# KiCad board rot.kicad_pcb (continued)
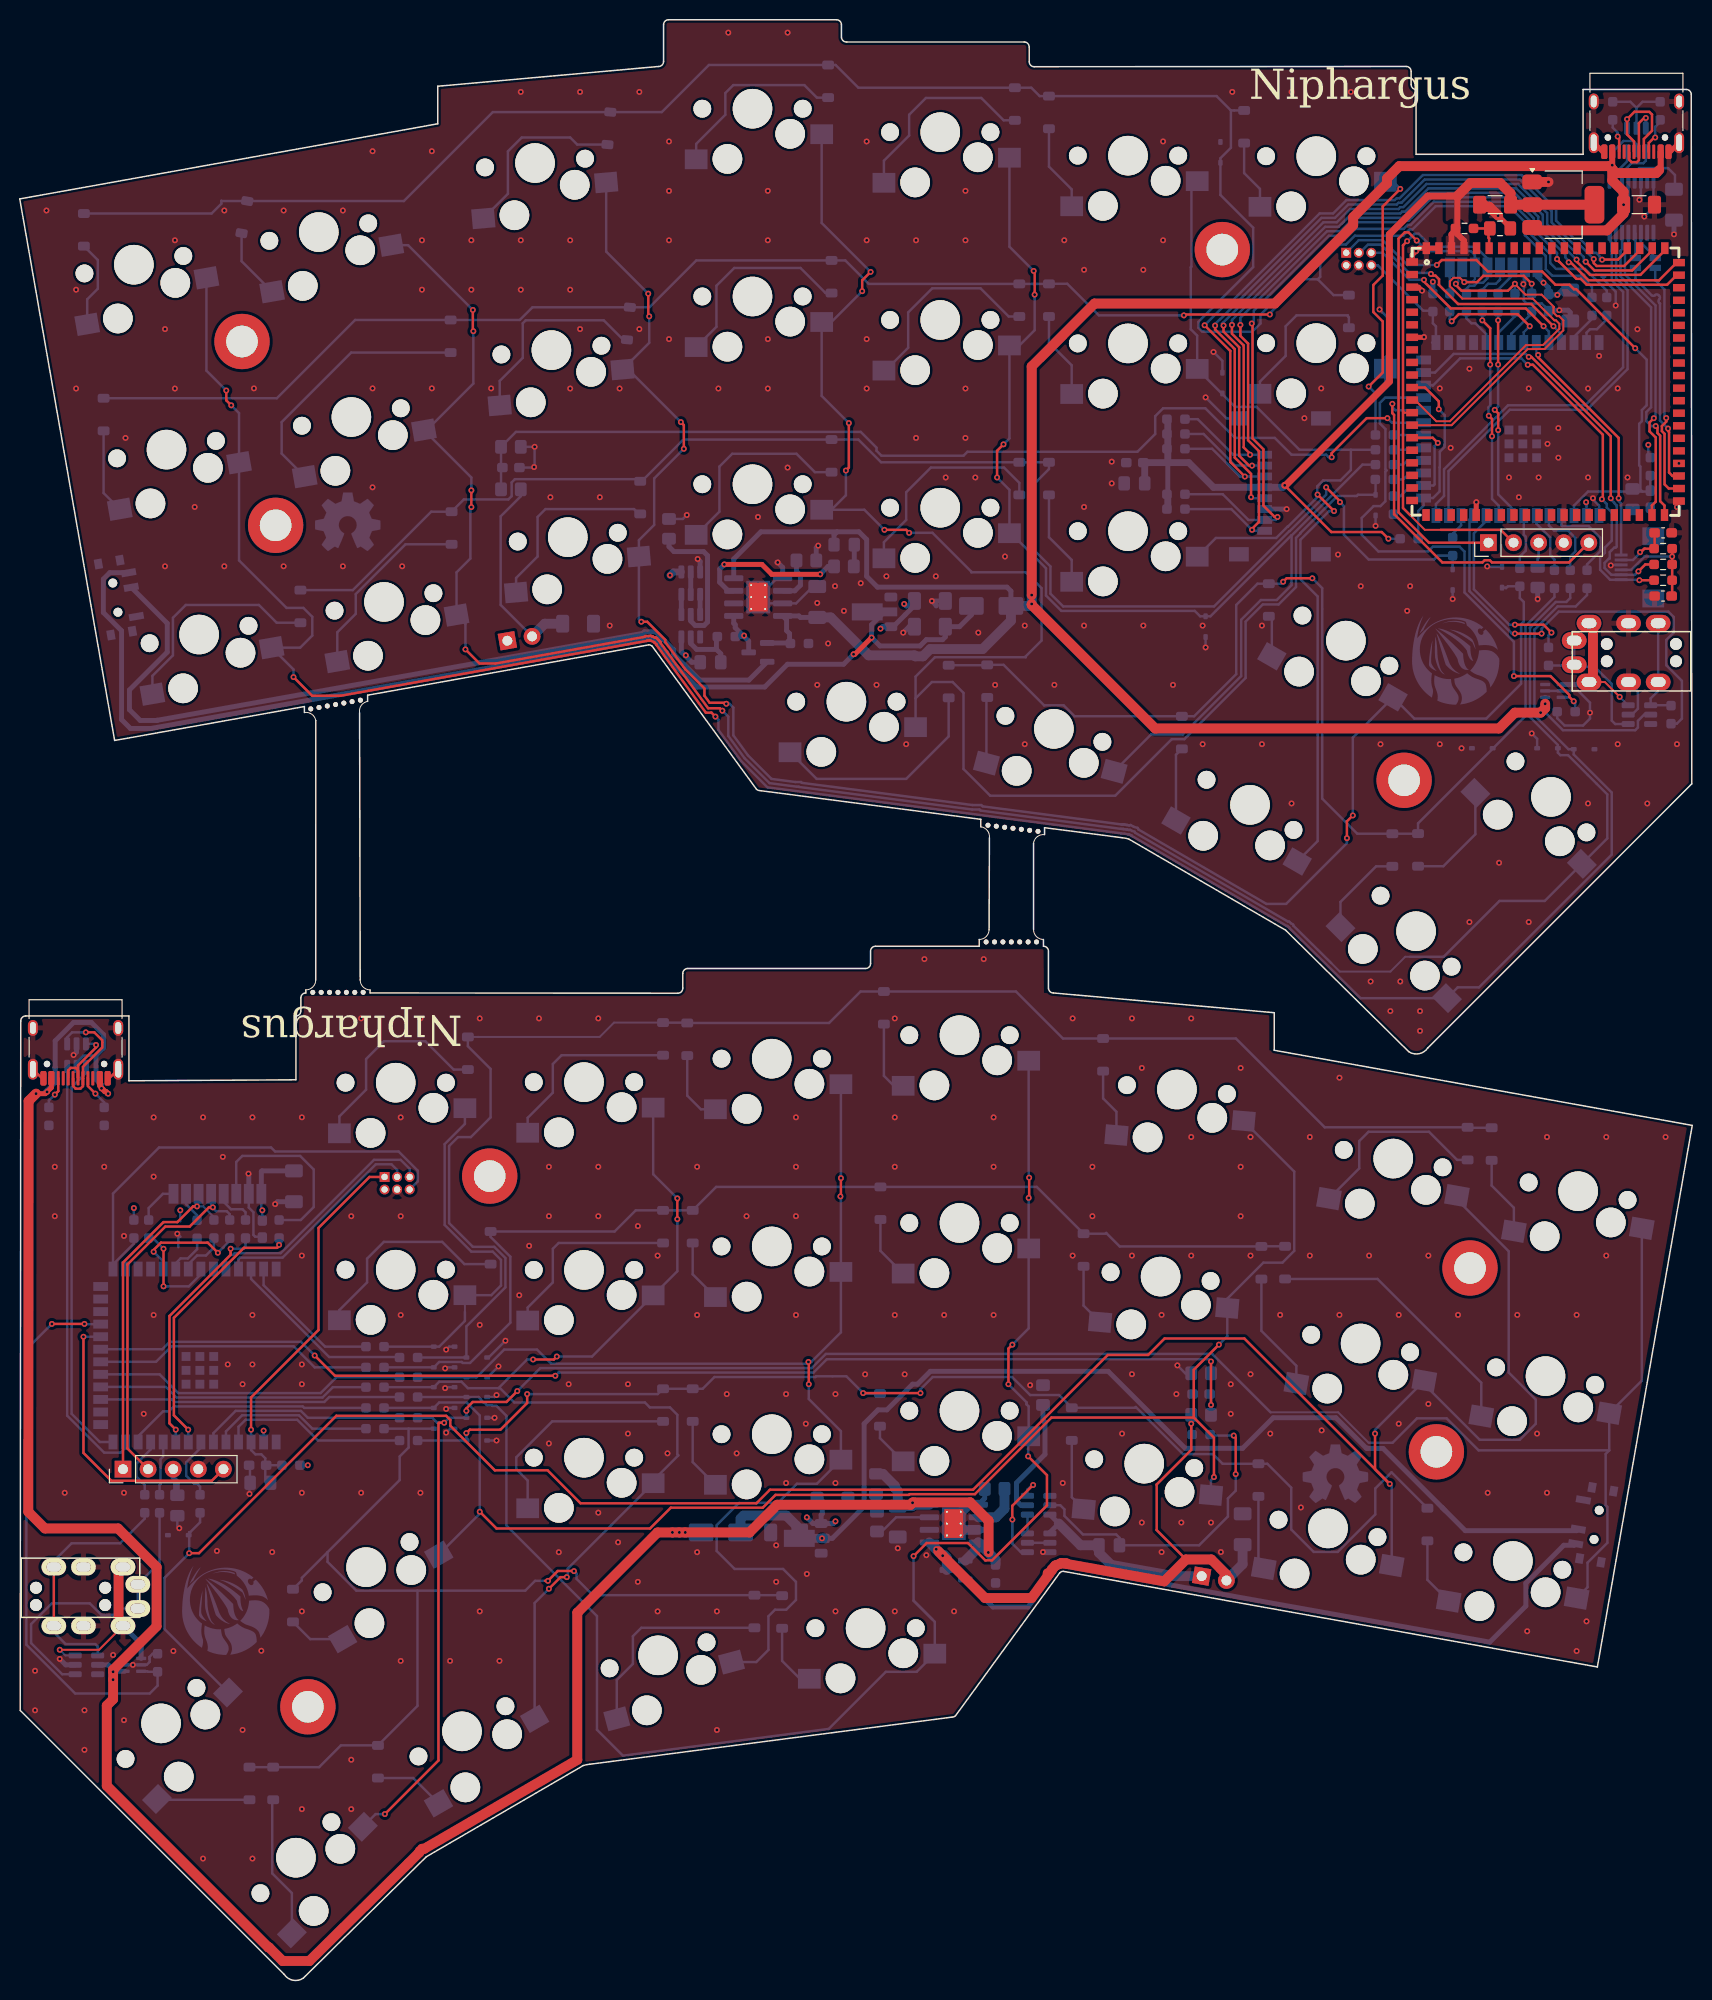
[diagram p0: board, top side]
## Placement (name value [footprint] x y rotation side) (continued)
U17  AMS1117-3.3  [SOT-223-3_TabPin2]  156.2 179.66 0 top
U18  TP4056-42-ESOP8  [SOIC-8-1EP_3.9x4.9mm_P1.27mm_EP2.41x3.3mm_ThermalVias]  74.72 139.96 180 bottom
U19  TP4056-42-ESOP8  [SOIC-8-1EP_3.9x4.9mm_P1.27mm_EP2.41x3.3mm_ThermalVias]  94.52 46.21 180 bottom
U20  HT7833  [SOT-89-3]  86.2 138.46 180 bottom
U21  HT7833  [SOT-89-3]  83.05 44.71 0 bottom
U22  DW01A  [SOT-23-6]  103.11 48.06 0 bottom
U23  DW01A  [SOT-23-6]  67.9 137.06 270 bottom

## Library data of the parts
C1-C4 C7-C30 = -: Description: Unpolarized capacitor; KiLib_Generator: SMD_2terminal_chip_molded; ki_fp_filters: C_*
C5 C6 = -: KiLib_Generator: SMD_2terminal_chip_molded; ki_fp_filters: C_*
D1-D48 U1-U4 = -: ki_fp_filters: TO-???* *_Diode_* *SingleDiode* D_*
D49 D50 = -: Description: Light emitting diode; KiLib_Generator: SMD_2terminal_chip_molded; Sim.Pins: 1=K 2=A; ki_fp_filters: LED* LED_SMD:* LED_THT:*
D51 D52 = -: Datasheet: https://www.vishay.com/docs/88746/ss12.pdf; Description: 40V 1A Schottky Diode, SMA; LCSC: C2480; Lien: https://lcsc.com/product-detail/C2480.html; ki_fp_filters: D*SMA*
D100-D121 = -: Datasheet: https://www.littelfuse.com/products/overvoltage-protection/tvs-diode-arrays/general-purpose/sdc/sd05c-01ftg; LCSC: C2827707; Lien: https://lcsc.com/product-detail/C2827707.html; ki_fp_filters: D?SOD?323*
H1-H8 = -: Description: Mounting Hole with connection as pad named MP; KiLib_Generator: mounting_hardware/mounting_hole; ki_fp_filters: MountingHole*Pad*
HS1-HS3 = -: Description: Heatsink with electrical connection, 1 pin; ki_fp_filters: Heatsink_*
J1 J2 = -: Description: Generic connector, double row, 02x03, odd/even pin numbering scheme (row 1 odd numbers, row 2 even numbers), script generated (kicad-library-utils/schlib/autogen/connector/); KiLib_Generator: connector/pin_header_socket; ki_fp_filters: Connector*:*_2x??_*
J3 = -: KiLib_Generator: connector/Hirose; LCSC: C202118; Lien: https://lcsc.com/product-detail/C202118.html; Note achat: Hirose FH12-6S-0.5SH — ZIF 6P 0,5mm contacts bas ; nappe FFC 6P 0,5mm 50mm (fournie avec module keycapsss) ; verifier sens pin1 a reception; ki_fp_filters: Connector*:*_1x??_*
J4 J12 = -: Description: Generic connector, single row, 01x05, script generated; KiLib_Generator: connector/pin_header_socket; ki_fp_filters: Connector*:*_1x??_*
J5 J6 = -: Description: Audio Jack, 4 Poles (TRRS); Achat: jack TRRS MJ-4PP-9 AliExpress; Lien: https://fr.aliexpress.com/item/33029465106.html; ki_fp_filters: Jack*
J7 J8 = -: Datasheet: https://www.usb.org/sites/default/files/documents/usb_type-c.zip; Description: USB 2.0-only 16P Type-C Receptacle connector; LCSC: C165948; Lien: https://lcsc.com/product-detail/C165948.html; ki_fp_filters: USB*C*Receptacle*
J9 = -: Datasheet: https://www.we-online.com/components/products/datasheet/693072010801.pdf; Description: Micro SD Card Socket; Achat: Würth 693072010801 (Mouser/Farnell); Lien: https://www.mouser.com/ProductDetail/Wurth-Elektronik/693072010801; Note achat: alt. LCSC TF-01A C91145 mais empreinte à changer; ki_fp_filters: microSD*
J10 J11 = -: Description: Generic connector, single row, 01x02, script generated; KiLib_Generator: connector/pin_header_socket; ki_fp_filters: Connector*:*_1x??_*
JP1 JP2 = -: Description: Jumper, 2-pole, closed/bridged; ki_fp_filters: Jumper* TestPoint*2Pads* TestPoint*Bridge*
Q1 Q2 = -: Datasheet: http://www.aosmd.com/pdfs/datasheet/AO3401A.pdf; Description: -4.0A Id, -30V Vds, P-Channel MOSFET, SOT-23; KiLib_Generator: package/gullwing; LCSC: C351408; Lien: https://lcsc.com/product-detail/C351408.html; ki_fp_filters: SOT?23*
Q3 Q4 = -: Datasheet: https://wmsc.lcsc.com/wmsc/upload/file/pdf/v2/lcsc/1810110910_Fortune-Semicon-FS8205_C32254.pdf; Description: Dual N-Channel MOSFET drain commun, 20V 6A, SOT23-6, protection batterie Li-ion (paire DW01A), LCSC C32254; KiLib_Generator: package/gullwing; LCSC: C32254; Lien: https://lcsc.com/product-detail/C32254.html
R1-R28 R30 R31 R33 R34 R36-R73 = -: Description: Resistor; KiLib_Generator: SMD_2terminal_chip_molded; ki_fp_filters: R_*
R29 R32 R35 = -: KiLib_Generator: SMD_2terminal_chip_molded; ki_fp_filters: R_*
SW53 SW54 = -: Description: Switch, single pole double throw; LCSC: C431540; Lien: https://lcsc.com/product-detail/C431540.html; Note achat: MSK-12C02 SHOU HAN
U5 U6 = -: Datasheet: https://www.espressif.com/sites/default/files/documentation/esp32-s3-wroom-1_wroom-1u_datasheet_en.pdf; Description: 2.4 GHz WiFi (802.11 b/g/n) and Bluetooth ® 5 (LE) module Built around ESP32S3 series of SoCs, Xtensa ® dualcore 32bit LX7 microprocessor Flash up to 16 MB, PSRAM up to 8 MB 36 GPIOs, rich set of peripherals Onboard PCB antenna; LCSC: C2913204; Lien: https://lcsc.com/product-detail/C2913204.html; Note achat: N8R2 ; si antenne externe (empreinte 1U) : C3013944
U7 U8 = -: Datasheet: http://www.nordicsemi.com/eng/content/download/2730/34105/file/nRF24L01_Product_Specification_v2_0.pdf; Description: Ultra low power 2.4GHz RF Transceiver, Carrier PCB; Achat: module nRF24L01+ AliExpress (2x4 pin); ki_fp_filters: nRF24L01*Breakout*
U9 U10 = -: Datasheet: http://www.onsemi.com/pub/Collateral/SRV05-4-D.PDF; Description: ESD Protection Diodes with Low Clamping Voltage, SOT-23-6; KiLib_Generator: package/gullwing; LCSC: C13612; Lien: https://lcsc.com/product-detail/C13612.html; Note achat: alt. budget Leiditech C384887; ki_fp_filters: SOT?23*
U11 U12 = -: Datasheet: http://www.vishay.com.hk/docs/66597/sip32431.pdf; Description: 10 pA, Ultra Low Leakage and Quiescent Current, Load Switch with Reverse Blocking, High Enable, SC-70-6; KiLib_Generator: package/gullwing; LCSC: C141606; Lien: https://lcsc.com/product-detail/C141606.html; ki_fp_filters: *SC?70*
U13 = -: Datasheet: https://www.wch-ic.com/downloads/file/327.html; Description: USB HUB controller, QSOP-16; KiLib_Generator: package/gullwing; LCSC: C4154405; Lien: https://lcsc.com/product-detail/C4154405.html; ki_fp_filters: QSOP*3.9x4.9mm*P0.635mm*
U14 U15 = -: Datasheet: https://www.st.com/resource/en/datasheet/usblc6-2.pdf; Description: Very low capacitance ESD protection diode, 2 data-line, SOT-23-6; KiLib_Generator: package/gullwing; LCSC: C7519; Lien: https://lcsc.com/product-detail/C7519.html; ki_fp_filters: SOT?23*
U16 = -: Achat: module JC-ESP32P4-M3 V0.2 AliExpress/Taobao; ki_fp_filters: *JC-ESP32P4-M3_V0.2*
U17 = -: Datasheet: http://www.advanced-monolithic.com/pdf/ds1117.pdf; Description: 1A Low Dropout regulator, positive, 3.3V fixed output, SOT-223; LCSC: C6186; Lien: https://lcsc.com/product-detail/C6186.html; ki_fp_filters: SOT?223*TabPin2*
U18 U19 = -: Datasheet: https://www.lcsc.com/datasheet/lcsc_datasheet_2410121619_TOPPOWER-Nanjing-Extension-Microelectronics-TP4056-42-ESOP8_C16581.pdf; Description: 1A Standalone Linear Li-ion/LiPo single-cell battery charger, 4.2V ±1% charge voltage, VCC = 4.0..8.0V, SOIC-8 (SOP-8); KiLib_Generator: package/gullwing; LCSC: C16581; Lien: https://lcsc.com/product-detail/C16581.html; ki_fp_filters: *SO*3.9x4.*P1.27mm*EP2.4*x3.3*mm*
U20 U21 = -: Datasheet: http://ww1.microchip.com/downloads/en/DeviceDoc/20001826D.pdf; Description: 250mA Low Quiscent Current LDO, 3.3V output, SOT-23; LCSC: C50936; Lien: https://lcsc.com/product-detail/C50936.html; ki_fp_filters: SOT?23*
U22 U23 = -: Datasheet: https://hmsemi.com/downfile/DW01A.PDF; Description: Overcharge, overcurrent and overdischarge protection IC for single cell lithium-ion/polymer battery; KiLib_Generator: package/gullwing; LCSC: C351410; Lien: https://lcsc.com/product-detail/C351410.html; ki_fp_filters: SOT?23*

## Footprints (pads in the part's own frame, mm; a bottom-side part is the same pattern mirrored in y, then rotated)
C_0603_1608Metric_Pad1.08x0.95mm_HandSolder
  rrect 1.075x0.95 smd: 1(-0.863,0) 2(0.863,0)
C_0805_2012Metric_Pad1.18x1.45mm_HandSolder
  rrect 1.175x1.45 smd: 1(-1.038,0) 2(1.038,0)
C_1206_3216Metric_Pad1.33x1.80mm_HandSolder
  rrect 1.325x1.8 smd: 1(-1.562,0) 2(1.562,0)
D_SMA
  rrect 2.5x1.8 smd: 1(-2,0) 2(2,0)
D_SOD-123
  rrect 0.9x1.2 smd: 1(-1.65,0) 2(1.65,0)
D_SOD-323
  rrect 0.6x0.45 smd: 1(-1.05,0) 2(1.05,0)
ESP32-S3-WROOM-1U
  rect 1.5x0.9 smd: 1(-8.75,8.26) 2(-8.75,6.99) 3(-8.75,5.72) 4(-8.75,4.45) 5(-8.75,3.18) 6(-8.75,1.91) 7(-8.75,0.64) 8(-8.75,-0.63) 9(-8.75,-1.9) 10(-8.75,-3.17) 11(-8.75,-4.44) 12(-8.75,-5.71) 13(-8.75,-6.98) 14(-8.75,-8.25) 27(8.75,-8.25) 28(8.75,-6.98) 29(8.75,-5.71) 30(8.75,-4.44) 31(8.75,-3.17) 32(8.75,-1.9) 33(8.75,-0.63) 34(8.75,0.64) 35(8.75,1.91) 36(8.75,3.18) 37(8.75,4.45) 38(8.75,5.72) 39(8.75,6.99) 40(8.75,8.26)
  rect 0.9x1.5 smd: 15(-6.985,-9.5) 16(-5.715,-9.5) 17(-4.445,-9.5) 18(-3.175,-9.5) 19(-1.905,-9.5) 20(-0.635,-9.5) 21(0.635,-9.5) 22(1.905,-9.5) 23(3.175,-9.5) 24(4.445,-9.5) 25(5.715,-9.5) 26(6.985,-9.5)
  rect 0.9x0.9 smd: 41(-2.9,-0.86) 41(-2.9,0.54) 41(-2.9,1.94) 41(-1.5,-0.86) 41(-1.5,0.54) 41(-1.5,1.94) 41(-0.1,-0.86) 41(-0.1,0.54) 41(-0.1,1.94)
Hirose_FH12-6S-0.5SH_1x06-1MP_P0.50mm_Horizontal
  rect 0.3x1.3 smd: 1(-1.25,1.85) 2(-0.75,1.85) 3(-0.25,1.85) 4(0.25,1.85) 5(0.75,1.85) 6(1.25,1.85)
  rect 1.8x2.2 smd: MP(-3.15,-1.4) MP(3.15,-1.4)
JC-ESP32P4-M3_V0.2
  rect 1.2x0.75 smd: 1(1,26.6) 2(1,25.33) 3(1,24.06) 4(1,22.79) 5(1,21.52) 6(1,20.25) 7(1,18.98) 8(1,17.71) 9(1,16.44) 10(1,15.17) 11(1,13.9) 12(1,12.63) 13(1,11.36) 14(1,10.09) 15(1,8.82) 16(1,7.55) 17(1,6.28) 18(1,5.01) 19(1,3.74) 20(1,2.47) 41(28,2.41) 42(28,3.68) 43(28,4.95) 44(28,6.22) 45(28,7.49) 46(28,8.76) 47(28,10.03) 48(28,11.3) 49(28,12.57) 50(28,13.84) 51(28,15.11) 52(28,16.38) 53(28,17.65) 54(28,18.92) 55(28,20.19) 56(28,21.46) 57(28,22.73) 58(28,24) 59(28,25.27) 60(28,26.54)
  rect 0.75x1.2 smd: 21(2.41,1) 22(3.68,1) 23(4.95,1) 24(6.22,1) 25(7.49,1) 26(8.76,1) 27(10.03,1) 28(11.3,1) 29(12.57,1) 30(13.84,1) 31(15.11,1) 32(16.38,1) 33(17.65,1) 34(18.92,1) 35(20.19,1) 36(21.46,1) 37(22.73,1) 38(24,1) 39(25.27,1) 40(26.54,1) 61(26.57,28) 62(25.3,28) 63(24.03,28) 64(22.76,28) 65(21.49,28) 66(20.22,28) 67(18.95,28) 68(17.68,28) 69(16.41,28) 70(15.14,28) 71(13.87,28) 72(12.6,28) 73(11.33,28) 74(10.06,28) 75(8.79,28) 76(7.52,28) 77(6.25,28) 78(4.98,28) 79(3.71,28) 80(2.44,28)
Jumper
  rect 0.635x1.143 smd: 1(-0.5,0) 2(0.5,0)
LED_0805_2012Metric_Pad1.15x1.40mm_HandSolder
  rrect 1.15x1.4 smd: 1(-1.025,0) 2(1.025,0)
microSD_HC_Wuerth_693072010801
  rect 0.8x1.5 smd: 1(-3.2,1.55) 2(-2.1,1.55) 3(-1,1.55) 4(0.1,1.55) 5(1.2,1.55) 6(2.3,1.55) 7(3.4,1.55) 8(4.5,1.55)
  rect 1.45x2 smd: SH(-6.875,-4.15) SH(-6.875,4.15) SH(6.875,-4.15) SH(6.875,4.15)
MJ-4PP-9_rev3
  round 1.2 hole 1.2 unplated: (-1.75,-1.5) (-1.75,-8.5) (0,-1.5) (0,-8.5)
  oval 1.7x2.5 hole 1x1.5: R1(-3.85,-3.3) R1(2.1,-3.3) R2(-2.1,-11.8) R2(0.35,-11.8) S(-3.85,-6.3) S(2.1,-6.3) T(-3.85,-10.3) T(2.1,-10.3)
MountingHole_3.2mm_M3_DIN965_Pad
  round 5.6 hole 3.2: 1(0,0)
MouseBite-Part_2.0x4.5mm_inset_D0.5mm_P0.85mm_7h
  round 0.5 hole 0.5 unplated: (-2.55,-0.25) (-1.7,-0.25) (-0.85,-0.25) (0,-0.25) (0.85,-0.25) (1.7,-0.25) (2.55,-0.25)
MouseBite-Part_2.0x4.5mm_inset_D0.5mm_P0.85mm_7h#2
  round 0.5 hole 0.5 unplated: (-2.55,-0.25) (-1.7,-0.25) (-0.85,-0.25) (0,-0.25) (0.85,-0.25) (1.7,-0.25) (2.55,-0.25)
NRF24L01
  rect 1x2 smd: 1(-3.13,-8.7) 2(-4.4,-8.7) 3(-1.86,-8.7) 4(-0.59,-8.7) 5(0.68,-8.7) 6(1.95,-8.7) 7(3.22,-8.7) 8(4.49,-8.7)
PinHeader_1x02_P2.54mm_Vertical
  rect 1.7x1.7 hole 1: 1(0,0)
  round 1.7 hole 1: 2(0,-2.54)
PinHeader_1x05_P2.54mm_Vertical
  rect 1.7x1.7 hole 1: 1(0,0)
  round 1.7 hole 1: 2(0,-2.54) 3(0,-5.08) 4(0,-7.62) 5(0,-10.16)
PinHeader_2x03_P1.27mm_Vertical
  rect 1x1 hole 0.65: 1(0,0)
  round 1 hole 0.65: 2(1.27,0) 3(0,-1.27) 4(1.27,-1.27) 5(0,-2.54) 6(1.27,-2.54)
QSOP-16_3.9x4.9mm_P0.635mm
  rrect 1.625x0.4 smd: 1(-2.638,2.223) 2(-2.638,1.587) 3(-2.638,0.953) 4(-2.638,0.318) 5(-2.638,-0.318) 6(-2.638,-0.953) 7(-2.638,-1.587) 8(-2.638,-2.223) 9(2.638,-2.223) 10(2.638,-1.587) 11(2.638,-0.953) 12(2.638,-0.318) 13(2.638,0.318) 14(2.638,0.953) 15(2.638,1.587) 16(2.638,2.223)
R_0603_1608Metric_Pad0.98x0.95mm_HandSolder
  rrect 0.975x0.95 smd: 1(-0.912,0) 2(0.912,0)
R_0805_2012Metric_Pad1.20x1.40mm_HandSolder
  rrect 1.2x1.4 smd: 1(-1,0) 2(1,0)
SOIC-8-1EP_3.9x4.9mm_P1.27mm_EP2.41x3.3mm_ThermalVias
  rrect 1.01x1.38 smd: (-0.6,-0.825) (-0.6,0.825) (0.6,-0.825) (0.6,0.825)
  rrect 1.95x0.6 smd: 1(-2.475,1.905) 2(-2.475,0.635) 3(-2.475,-0.635) 4(-2.475,-1.905) 5(2.475,-1.905) 6(2.475,-0.635) 7(2.475,0.635) 8(2.475,1.905)
  round 0.5 hole 0.2: 9(-0.7,-1.2) 9(-0.7,0) 9(-0.7,1.2) 9(0.7,-1.2) 9(0.7,0) 9(0.7,1.2)
  rect 1.9x2.9 smd far side: 9(0,0)
  rect 2.41x3.3 smd: 9(0,0)
SOT-23
  rrect 1.475x0.6 smd: 1(-0.938,0.95) 2(-0.938,-0.95) 3(0.938,0)
SOT-23-6
  rrect 1.325x0.6 smd: 1(-1.137,0.95) 2(-1.137,0) 3(-1.137,-0.95) 4(1.137,-0.95) 5(1.137,0) 6(1.137,0.95)
SOT-89-3
  rrect 1.3x0.9 smd: 1(-1.95,1.5) 3(-1.95,-1.5)
  custom 4.6x1.733 smd: 2(-1.863,0)
SOT-223-3_TabPin2
  rrect 2x1.5 smd: 1(-3.15,2.3) 2(-3.15,0) 3(-3.15,-2.3)
  rrect 2x3.8 smd: 2(3.15,0)
SOT-363_SC-70-6
  rrect 1.025x0.35 smd: 1(-0.838,0.65) 2(-0.838,0) 3(-0.838,-0.65) 4(0.838,-0.65) 5(0.838,0) 6(0.838,0.65)
SW_Cherry_MX_1.00u_PCB
  round 1.8 hole 1.8 unplated: (-5.08,0) (5.08,0)
  round 3 hole 3 unplated: (-3.81,2.54) (2.54,5.08)
  round 4 hole 4 unplated: (0,0)
  rect 2.3x2 smd far side: 1(-7,2.58) 2(5.7,5.12)
SW_SPDT_PCM12
  rect 1x0.8 smd: (-3.65,-1.43) (-3.65,0.78) (3.65,-1.43) (3.65,0.78)
  round 0.9 hole 0.9 unplated: (-1.5,-0.33) (1.5,-0.33)
  rect 0.7x1.5 smd: 1(-2.25,1.43) 2(0.75,1.43) 3(2.25,1.43)
SW_SPDT_PCM12#2
  rect 1x0.8 smd: (-3.65,-1.43) (-3.65,0.78) (3.65,-1.43) (3.65,0.78)
  round 0.9 hole 0.9 unplated: (-1.5,-0.33) (1.5,-0.33)
  rect 0.7x1.5 smd: 1(-2.25,1.43) 2(0.75,1.43) 3(2.25,1.43)
USB_C_Receptacle_HRO_TYPE-C-31-M-12
  round 0.65 hole 0.65 unplated: (-2.89,2.6) (2.89,2.6)
  rrect 0.6x1.45 smd: A1(-3.25,4.045) A4(-2.45,4.045) A9(2.45,4.045) A12(3.25,4.045) B1(3.25,4.045) B4(2.45,4.045) B9(-2.45,4.045) B12(-3.25,4.045)
  rrect 0.3x1.45 smd: A5(-1.25,4.045) A6(-0.25,4.045) A7(0.25,4.045) A8(1.25,4.045) B5(1.75,4.045) B6(0.75,4.045) B7(-0.75,4.045) B8(-1.75,4.045)
  oval 1x2.1 hole 0.6x1.7: SH(-4.32,3.13) SH(4.32,3.13)
  oval 1x1.6 hole 0.6x1.2: SH(-4.32,-1.05) SH(4.32,-1.05)

## Nets
+3.3V: C6.1 C8.2 C9.2 C11.2 C26.2 J1.2 J3.4 J12.3 R2.2 R29.1 R32.1 R34.2 R35.1 U6.2 U8.2 U20.3
+3.3V_D: C7.2 C10.2 C12.2 C25.2 J2.2 J4.3 R1.2 R33.2 U5.2 U7.2 U21.3
+5V: C15.2 C20.2 D49.2 D52.2 J8.A4 J8.A9 J8.B4 J8.B9 Q2.1 R60.2 U9.5 U12.4 U13.12 U14.5 U17.3 U18.4 U18.8
+5V_D: C19.2 D50.2 D51.2 J7.A4 J7.A9 J7.B4 J7.B9 Q1.1 R61.2 U10.5 U11.4 U15.5 U19.4 U19.8
GND: C1.1 C2.1 C3.1 C4.1 C5.2 C6.2 C7.1 C8.1 C9.1 C10.1 C11.1 C12.1 C13.2 C14.1 C15.1 C16.1 C17.1 C18.1 C19.1 C20.1 C21.1 C22.1 C23.1 C24.1 C25.1 C26.1 C29.2 C30.2 D100.2 D101.2 D102.2 D103.2 D104.2 D105.2 D106.2 D107.1 D108.1 D109.1 D110.1 D111.2 D112.2 D113.2 D114.2 D115.2 D116.2 D117.2 D118.2 D119.2 D120.2 D121.2 J1.4 J2.4 J3.3 J4.4 J5.S J6.S J7.A1 J7.A12 J7.B1 J7.B12 J7.SH J8.A1 J8.A12 J8.B1 J8.B12 J8.SH J9.6 J9.SH J12.4 Q3.3 Q4.3 R42.2 R43.2 R49.1 R50.2 R51.2 R52.1 R53.1 R60.1 R61.1 R66.2 R67.2 R68.2 R69.2 R72.2 R73.2 U5.1 U5.40 U5.41 U6.1 U6.40 U6.41 U7.1 U8.1 U9.2 U10.2 U11.2 U11.5 U12.2 U12.5 U13.14 U13.16 U14.2 U15.2 U16.1 U16.3 U16.7 U16.25 U16.32 U16.41 U16.44 U16.79 U16.80 U17.1 U18.1 U18.3 U18.9 U19.1 U19.3 U19.9 U20.1 U21.1
VBAT_SENSE: C21.2 R64.2 R67.1 U6.21
VBAT_SENSE_d: C22.2 R65.2 R66.1 U5.21
+BATT: C29.1 J10.2 Q2.3 R64.1 R70.1 U18.5
+BATT_D: C30.1 J11.2 Q1.3 R65.1 R71.1 U19.5
-BATT: C27.2 J10.1 Q4.1 U23.6
-BATT_D: C28.2 J11.1 Q3.1 U22.6
/bat/STDBY: U18.6
/bat_right/STDBY: U19.6
/P4/P4_3V3: C16.2 C17.2 C18.2 J9.4 R48.2 R54.2 R55.1 R56.1 R57.1 R58.1 R59.1 U16.77 U16.78 U17.2
/P4/SD_CLK: J9.5 U16.63
/P4/SD_CMD: J9.3 R57.2 U16.64
/P4/SD_DATA0: J9.7 R58.2 U16.59
/P4/SD_DATA1: J9.8 R59.2 U16.60
/P4/SD_DATA2: J9.1 R55.2 U16.61
/P4/SD_DATA3: J9.2 R56.2 U16.62
/right/CE_1: R38.1 U5.8
/right/col0: R12.2 U5.6
/right/col1: R13.2 U5.7
/right/col2: R19.2 U5.12
/right/col3: R22.2 U5.17
/right/col4: R24.2 U5.19
/right/col5: R26.2 U5.18
/right/col6: R28.2 U5.39
/right/CS_DPL: J4.5 U5.22
/right/CSN_1: R37.1 U5.9
/right/EN: C2.2 C4.2 J2.1 R1.1 U5.3
/right/IO0: J2.6 R33.1 U5.27
/right/IRQ_1: R40.1 U5.34
/right/LINK_5V_EN: R43.1 U5.23 U11.3
/right/LINK_RX: R44.2 U5.11
/right/LINK_TX: R46.2 U5.10
/right/MISO: R15.2 U7.7
/right/MOSI: J4.1 R17.2 U7.6
/right/row0: R3.1 U5.38
/right/row1: R5.1 U5.20
/right/row2: R8.1 U5.4
/right/row3: R10.1 U5.5
/right/RX: J2.5 U5.36
/right/SCK: J4.2 R31.2 U7.5
/right/TIP_5V: J5.T U10.3 U11.1
/right/TP_RDY: U5.35
/right/TP_SCL: U5.25
/right/TP_SDA: U5.24
/right/TX: J2.3 U5.37
/s3/CE_1: R39.1 U6.8
/s3/col0: R11.2 U6.4
/s3/col1: R14.2 U6.5
/s3/col2: R20.2 U6.7
/s3/col3: R21.2 U6.17
/s3/col4: R23.2 U6.18
/s3/col5: R25.2 U6.19
/s3/col6: R27.2 U6.20
/s3/CS_DPL: J12.5 U6.22
/s3/CSN_1: R36.1 U6.9
/s3/EN: C1.2 C3.2 J1.1 R2.1 U6.3
/s3/IO0: J1.6 R34.1 U6.27
/s3/IRQ_1: R41.1 U6.34
/s3/LINK_5V_EN: R42.1 U6.23 U12.3
/s3/LINK_RX: R45.2 U6.11
/s3/LINK_TX: R47.2 U6.10
/s3/row0: R4.1 U6.39
/s3/row1: R6.1 U6.38
/s3/row2: R7.1 U6.12
/s3/row3: R9.1 U6.6
/s3/RX: J1.5 U6.36
/s3/TIP_5V: J6.T U9.3 U12.1
/s3/TP_NRST: C5.1 J3.2 R35.2
/s3/TP_RDY: J3.1 U6.35
/s3/TP_SCL: J3.5 R32.2 U6.25
/s3/TP_SDA: J3.6 R29.2 U6.24
/s3/TX: J1.3 U6.37
/USB/DPU+: U13.11 U14.4
/USB/DPU-: U13.10 U14.6
CS_P4: R48.1 U6.15 U16.11
D+_p4: U13.6 U16.40
D+_s3: U6.14 U13.8
D+_s3_d: U5.14 U15.4
D-_p4: U13.5 U16.39
D-_s3: U6.13 U13.7
D-_s3_d: U5.13 U15.6
IRQ_P4: R49.2 U6.16 U16.15
J_PROG_P4_N: JP2.2 U13.3
J_PROG_P4_P: JP1.2 U13.4
MISO_L: R16.2 U8.7 U16.14
MOSI_L: J12.1 R18.2 U8.6 U16.12
SCK_L: J12.2 R30.2 U8.5 U16.13
Net-(D1-A): D1.2 SW2.2
Net-(D1-K): D1.1 D10.1 D15.1 D22.1 D29.1 D37.1 D45.1 D118.1 R3.2
Net-(D2-A): D2.2 SW1.2
Net-(D3-A): D3.2 SW3.2
Net-(D4-A): D4.2 SW4.2
Net-(D5-A): D5.2 SW6.2
Net-(D6-A): D6.2 SW5.2
Net-(D7-A): D7.2 SW7.2
Net-(D8-A): D8.2 SW8.2
Net-(D9-A): D9.2 SW10.2
Net-(D10-A): D10.2 SW9.2
Net-(D11-A): D11.2 SW12.2
Net-(D12-A): D12.2 SW11.2
Net-(D13-A): D13.2 SW14.2
Net-(D14-A): D14.2 SW13.2
Net-(D15-A): D15.2 SW18.2
Net-(D16-A): D16.2 SW17.2
Net-(D17-A): D17.2 SW20.2
Net-(D18-A): D18.2 SW19.2
Net-(D19-A): D19.2 SW22.2
Net-(D20-A): D20.2 SW21.2
Net-(D21-A): D21.2 SW26.2
Net-(D22-A): D22.2 SW25.2
Net-(D23-A): D23.2 SW28.2
Net-(D24-A): D24.2 SW27.2
Net-(D25-A): D25.2 SW29.2
Net-(D26-A): D26.2 SW30.2
Net-(D27-A): D27.2 SW32.2
Net-(D28-A): D28.2 SW31.2
Net-(D29-A): D29.2 SW34.2
Net-(D30-A): D30.2 SW33.2
Net-(D31-A): D31.2 SW36.2
Net-(D32-A): D32.2 SW35.2
Net-(D33-A): D33.2 SW38.2
Net-(D34-A): D34.2 SW37.2
Net-(D35-A): D35.2 SW39.2
Net-(D36-A): D36.2 SW40.2
Net-(D37-A): D37.2 SW42.2
Net-(D38-A): D38.2 SW41.2
Net-(D39-A): D39.2 SW44.2
Net-(D40-A): D40.2 SW43.2
Net-(D41-A): D41.2 SW45.2
Net-(D42-A): D42.2 SW46.2
Net-(D43-A): D43.2 SW47.2
Net-(D44-A): D44.2 SW48.2
Net-(D45-A): D45.2 SW50.2
Net-(D46-A): D46.2 SW49.2
Net-(D47-A): D47.2 SW51.2
Net-(D48-A): D48.2 SW52.2
Net-(D49-K): D49.1 R62.1
Net-(D50-K): D50.1 R63.1
Net-(D51-K): C23.2 D51.1 SW53.2 U21.2
Net-(D52-K): C24.2 D52.1 SW54.3 U20.2
Net-(D100-A1): D100.1 R11.1 SW1.1 SW3.1 SW5.1 SW8.1
Net-(D101-A1): D101.1 R14.1 SW10.1 SW12.1 SW14.1 SW15.1
Net-(D102-A1): D102.1 R20.1 SW17.1 SW19.1 SW21.1 SW24.1
Net-(D103-A1): D103.1 R21.1 SW26.1 SW27.1 SW30.1 SW31.1
Net-(D104-A1): D104.1 R23.1 SW33.1 SW35.1 SW38.1 SW40.1
Net-(D105-A1): D105.1 R25.1 SW41.1 SW43.1 SW45.1 SW47.1
Net-(D106-A1): D106.1 R27.1 SW49.1 SW52.1
Net-(D107-A2): D2.1 D9.1 D16.1 D21.1 D30.1 D38.1 D46.1 D107.2 R4.2
Net-(D108-A2): D3.1 D11.1 D18.1 D24.1 D32.1 D40.1 D48.1 D108.2 R6.2
Net-(D109-A2): D6.1 D13.1 D20.1 D26.1 D33.1 D41.1 D109.2 R7.2
Net-(D110-A2): D8.1 D28.1 D36.1 D43.1 D110.2 R9.2 U2.1 U3.1
Net-(D111-A1): D111.1 R12.1 SW2.1 SW4.1 SW6.1 SW7.1
Net-(D112-A1): D112.1 R13.1 SW9.1 SW11.1 SW13.1 SW16.1
Net-(D113-A1): D113.1 R19.1 SW18.1 SW20.1 SW22.1 SW23.1
Net-(D114-A1): D114.1 R22.1 SW25.1 SW28.1 SW29.1 SW32.1
Net-(D115-A1): D115.1 R24.1 SW34.1 SW36.1 SW37.1 SW39.1
Net-(D116-A1): D116.1 R26.1 SW42.1 SW44.1 SW46.1 SW48.1
Net-(D117-A1): D117.1 R28.1 SW50.1 SW51.1
Net-(D119-A1): D4.1 D12.1 D17.1 D23.1 D31.1 D39.1 D47.1 D119.1 R5.2
Net-(D120-A1): D5.1 D14.1 D19.1 D25.1 D34.1 D42.1 D120.1 R8.2
Net-(D121-A1): D7.1 D27.1 D35.1 D44.1 D121.1 R10.2 U1.1 U4.1
Net-(J7-CC1): J7.A5 R51.1
Net-(J7-CC2): J7.B5 R53.2
Net-(J7-D+-PadA6): J7.A6 J7.B6 U15.3
Net-(J7-D--PadA7): J7.A7 J7.B7 U15.1
Net-(J8-CC1): J8.A5 R50.1
Net-(J8-CC2): J8.B5 R52.2
Net-(J8-D+-PadA6): J8.A6 J8.B6 U14.3
Net-(J8-D--PadA7): J8.A7 J8.B7 U14.1
Net-(JP1-A): JP1.1 U16.43
Net-(JP2-A): JP2.1 U16.42
Net-(Q1-S): Q1.2 SW53.3
Net-(Q2-S): Q2.2 SW54.2
Net-(Q3-D12-Pad2): Q3.2 Q3.5
Net-(Q3-G1): Q3.6 U22.1
Net-(Q3-G2): Q3.4 U22.3
Net-(Q4-D12-Pad2): Q4.2 Q4.5
Net-(Q4-G1): Q4.6 U23.1
Net-(Q4-G2): Q4.4 U23.3
Net-(U1-A): SW16.2 U1.2
Net-(U2-A): SW15.2 U2.2
Net-(U3-A): SW24.2 U3.2
Net-(U4-A): SW23.2 U4.2
Net-(U5-GPIO38/FSPIWP/SUBSPIWP): R31.1 U5.31
Net-(U5-MTCK/GPIO39/CLK_OUT3/SUBSPICS1): R15.1 U5.32
Net-(U5-MTDO/GPIO40/CLK_OUT2): R17.1 U5.33
Net-(U6-GPIO38/FSPIWP/SUBSPIWP): R30.1 U6.31
Net-(U6-MTCK/GPIO39/CLK_OUT3/SUBSPICS1): R16.1 U6.32
Net-(U6-MTDO/GPIO40/CLK_OUT2): R18.1 U6.33
Net-(U7-CE): R38.2 U7.3
Net-(U7-IRQ): R40.2 U7.8
Net-(U7-~{CSN}): R37.2 U7.4
Net-(U8-CE): R39.2 U8.3
Net-(U8-IRQ): R41.2 U8.8
Net-(U8-~{CSN}): R36.2 U8.4
Net-(U9-IO1): J6.R2 R47.1 U9.1
Net-(U9-IO3): J6.R1 R45.1 U9.4
Net-(U10-IO1): J5.R2 R46.1 U10.1
Net-(U10-IO3): J5.R1 R44.1 U10.4
Net-(U13-VDD33_{LDO}): C13.1 U13.13
Net-(U16-CHIP_PU): C14.2 R54.1 U16.75
Net-(U18-PROG): R68.1 U18.2
Net-(U18-~{CHRG}): R62.2 U18.7
Net-(U19-PROG): R69.1 U19.2
Net-(U19-~{CHRG}): R63.2 U19.7
Net-(U22-CS): R72.1 U22.2
Net-(U22-VCC): C28.1 R71.2 U22.5
Net-(U23-CS): R73.1 U23.2
Net-(U23-VCC): C27.1 R70.2 U23.5

Pads without a net: H1 1; H2 1; H3 1; H4 1; H5 1; H6 1; H7 1; H8 1; J3 MP; J7 A8 B8; J8 A8 B8; SW53 1; SW54 1; U5 15 16 26 28 29 30; U6 26 28 29 30; U9 6; U10 6; U11 6; U12 6; U13 1 2 9 15; U16 2 4 5 6 8 9 10 16 17 18 19 20 21 22 23 24 26 27 28 29 30 31 33 34 35 36 37 38 45 46 47 48 49 50 51 52 53 54 55 56 57 58 65 66 67 68 69 70 71 72 73 74 76; U22 4; U23 4

## Via types
v1: diameter 0.6, hole 0.3, Top to Bottom, 569 vias

## Routing (per net, layer and track width the routed paths; a pad name or vN(x,y) marks a point on that pad's centre or on a via; arc(x,y) is an arc through that point)
+3.3V: length 29
  Top w0.25: R35.1 v1(167.21,144.06) R32.1 167.21,140.11 C6.1
  Bottom w0.25: 153.6,142.74 153.6,143.86 153.7,143.96 J12.3 ; J3.4 163.07,142.71 164.42,144.06 167.2,144.06 ; 165,153.79 165,154.26 164.8,154.46 v1(164.8,155.36) ; v1(158.51,149.56) 158.51,149.26 158.55,149.21 U6.2
  Bottom w0.5: U8.2 153.6,172.36 v1(154.2,171.76) 154.7,171.26 154.7,170.54 v1(155.6,170.54) 156.09,171.03 C11.2 ; v1(87.1,136.76) 87.3,136.96 U20.3 88.39,136.96 90.49,139.06 90.66,139.06 89.7,139.06 v1(89.5,139.26) ; 143,170.59 v1(143,171.86)
+3.3V_D: length 24.3
  Bottom w0.25: 15.65,48.99 15.65,51.59 J4.3 ; 28,52.11 v1(29.15,52.11) ; 24.55,76.79 v1(24.55,77.91) 24.45,78.01 U7.2 ; R33.2 v1(11.55,78.14) ; v1(24.68,55.61) U5.2 ; 16.25,76.79 v1(16.25,77.91)
  Bottom w0.5: U21.3 81.1,47.09 81.21,47.2 81.21,48.54 ; U21.3 82.32,46.21 v1(82.55,46.44) ; U21.3 80.27,46.21 v1(79.65,46.84) ; J4.3 15.53,50.86 15.95,50.44 C10.2 ; U7.2 24.45,81.84 24.51,81.9 C12.2
+5V: length 271.1
  Top w0.6: J8.A9 v1(161.15,183.66) 161.15,183.26 ; J8.A4 166.05,183.31 165.9,183.16
  Top w1: U17.3 153.35,177.06 160.6,177.06 162.3,178.76 v1(162.3,179.66) 162.3,180.96 161.15,182.11 161.15,183.26 ; v1(102.4,139.26) 102.4,139.16 114.9,126.66 149.7,126.66 151.3,128.26 v1(153.9,128.26) 154.36,128.73 v1(154.36,129.16) ; v1(102.4,140.16) 102.4,163.3 108.77,169.66 127,169.66 134.93,177.6 134.93,178.4 138.37,181.83 138.37,182.33 139.6,183.56 160.85,183.56 161.15,183.26 ; 161.15,183.26 161.55,182.86 165.6,182.86 165.9,183.16
  Bottom w0.25: U13.12 162.78,180.05 162.4,179.66 ; U9.5 164.38,128.06 163.75,127.44 163.75,126.76 163.48,126.49 156.16,126.49 154.3,128.35 154.3,129.1 v1(154.36,129.16) ; U14.5 163.6,185.79 163.27,186.11 162.3,186.11 161.2,185.01 161.2,183.76
  Bottom w0.5: 154.36,129.81 154.36,128.73 v1(153.9,128.26) ; C20.2 79,137.9 78.85,138.05 U18.4 77.6,137.65 77.6,136.56 77.9,136.26 77.9,135.26 77.85,135.31 Q2.1 ; U18.8 72.25,143.81 75,146.56 82.7,146.56 ; 82.7,146.56 84.92,146.56 85.7,145.78 85.7,142.06 86.8,140.96 99.9,140.96 100.3,140.56 D52.2 ; 82.7,146.56 82.4,146.26 D49.2
  Bottom w1: v1(102.4,140.16) v1(102.4,139.26) 102.2,139.06 D52.2 100.3,137.56 97.44,134.7 92.14,134.7 91.4,133.96 90.63,133.96 90.53,134.06 85.9,134.06 82.06,137.9 C20.2
+5V_D: length 254.7
  Top w0.5: J7.A9 3.2,90.32 2.59,89.71 v1(1.65,89.71) ; J7.A4 8.1,90.49 8.87,89.71 v1(8.95,89.71) 8.73,89.93 8.59,89.93 v1(8.27,90.25)
  Top w1: v1(1.65,89.71) 0.89,88.96 0.86,47.4 2.55,45.71 9.95,45.71 13.85,41.81 13.85,35.81 9.45,31.41 v1(9.45,31.21) v1(9.45,30.41) 9.45,28.43 8.81,27.79 8.81,19.67 25.16,3.33 25.22,3.33 26.6,1.95 29.31,1.95 39.34,11.84 40.43,12.94 40.46,13.03 40.73,13.3 40.93,13.3 56.42,22.3 56.42,37.19 64.55,45.31 v1(66.05,45.31) v1(66.75,45.31) v1(67.35,45.31) 73.85,45.31 76.65,48.11 90.15,48.11 v1(90.35,48.31) 90.39,48.36 96.17,48.36 98.05,46.48 98.05,43.31
  Bottom w0.25: U15.5 5.75,92.86 6.44,93.56 7.71,93.56
  Bottom w0.5: U11.4 9.6,31.26 8.95,31.91 U10.5 ; 3.58,92.37 3.54,92.32 ; 3.58,92.37 3.58,90.85 2.77,90.03 v1(2.77,89.89) 2.63,89.89 2.45,89.71 ; 3.58,92.37 3.58,95.05 5.44,96.91 7.25,96.91 8.47,95.69 8.47,94.33 7.71,93.56 7.71,91.15 8.27,90.59 v1(8.27,90.25)
  Bottom w1: D50.2 87.35,51.24 88.55,50.04 88.55,49.81 88.85,49.51 C19.2 90.31,47.98 90.45,48.11 U19.8 ; Q1.1 97,43.78 U19.4 v1(98.02,43.28) 98.75,42.55 98.75,42.11 ; D51.2 v1(66.05,45.31)
GND: length 155.5
  Top w0.25: J7.A12 2.24,91.27 1.33,92.18 ; J7.A1 9.05,91.27 9.97,92.18
  Top w0.5: C14.1 150.84,177.33 v1(149.6,178.56) ; U16.7 142.08,166.24 v1(142.1,166.26) ; v1(147.4,149.56) 147.39,149.55 U16.25 ; v1(141.9,170.96) 141.54,171.32 U16.3 ; J8.A12 160.19,185.02 J8.SH ; J8.SH 167,185.02 J8.A1 ; U16.79 U16.80 141.6,175.26 v1(141.3,174.96) 140.9,174.56 U16.1
  Top w1: v1(149.6,178.56) 148.7,179.46 148.35,179.46 148.15,179.66 C16.1 ; v1(154.7,181.96) U17.1
  Bottom w0.25: 154.7,168.99 154.03,169.66 152.5,169.66 152.2,169.97 152.2,173.2 U8.1 152.33,171.79 v1(152.16,171.62) ; v1(43.05,59.91) 43.15,60.01 D116.2 ; J6.S 163.75,130.41 163.75,128.66 163.15,128.06 U9.2 ; R73.2 67.1,147.86 v1(67.5,148.26) ; v1(137.2,147.16) D103.2 ; 24.55,75.24 23.82,75.24 23.65,75.41 23.65,77.71 23.18,78.18 U7.1 ; v1(161.5,169.46) 161.5,170.86 160.25,172.11 D108.1 ; D114.2 48.05,59.01 v1(48.25,59.21) ; R67.2 v1(52.1,155.16) 52.1,153.16 v1(52.05,153.11) 52,153.06 50.74,153.06 ; D119.2 43.15,62.01 v1(43.05,61.91) ; v1(43.15,55.41) 43.55,55.81 D121.2 ; R66.2 117.95,61.41 v1(117.15,62.21) ; v1(43.15,63.81) 43.45,64.11 D117.2 ; U18.1 76.63,141.86 U18.9 75.36,139.32 U18.3 78.56,139.32 80.26,141.03 C20.1 ; R42.2 155.57,127.71 156.32,126.96 158.2,126.96 158.9,127.66 v1(158.9,128.26) 158.9,129.27 157.71,130.46 U12.2 U12.5 ; D101.2 153.55,125.61 v1(153,126.16) ; v1(148.5,143.06) 148.55,143.01 D102.2 ; U6.1 159.82,149.21 159.2,149.83 v1(159.2,149.96) ; v1(120,160.16) 122.12,158.04 J9.SH ; v1(48.45,62.11) 47.35,61.01 D115.2 ; D106.2 138.5,168.16 v1(137.6,169.06) ; U13.16 165.32,179.39 v1(164.4,178.46) ; D118.2 47.45,63.01 v1(49.15,64.71) ; D105.2 121.7,163.86 v1(120.8,164.76) ; 16.24,75.24 v1(15.95,75.54) 16.05,75.44 16.05,74.17 ; v1(23.25,49.21) 23.25,50.36 23.3,50.41 23.3,52.11 ; 163.6,189.46 162.99,190.08 R52.1 ; 163.6,189.46 U14.2 ; 163.6,189.46 164.21,190.08 R50.2 ; v1(163.9,180.16) 164.05,180.32 U13.14 ; v1(145,139.76) D109.1 ; v1(161,143.16) 161.05,143.21 J3.3 ; D113.2 43.25,57.91 v1(43.15,57.81) ; v1(16.15,45.74) 15.95,45.94 C10.1 ; D120.2 v1(48.25,54.61) ; R43.2 13.45,33.04 13.12,32.71 13.12,32.54 13.15,32.51 13.15,32.21 12.85,31.91 U11.2 v1(11.45,31.91) U11.5 ; v1(120,134.86) D104.2 ; D111.2 v1(48.05,56.91)
  Bottom w0.5: R68.2 80.6,144.96 v1(80.8,145.16) ; 92.74,139.06 92.74,139.13 v1(92.3,139.56) C26.1 ; U19.1 97.65,48.76 R69.2 ; U10.2 4.65,31.91 v1(4.05,32.51) ; v1(68.6,143.81) 68.85,143.56 Q4.3 ; v1(23.15,81.61) 23.18,81.58 U7.1 ; C13.2 v1(167.4,176.66) ; v1(89.4,136.36) 90,136.96 90.66,136.96 ; J9.6 v1(128.2,148.86) ; U18.1 77.2,142.96 v1(76.7,143.46) 76.6,143.46 ; 153.6,141.19 v1(153.6,139.76) 153.6,139.66 ; C12.1 26.08,78.77 v1(25.85,78.54) ; 154.7,168.99 v1(155.8,168.99) 156.68,168.99 156.9,168.76 C11.1 ; v1(5.44,93.62) 5.75,93.92 U15.2
  Bottom w1: U19.3 95.16,45.57 U19.9 94.52,46.61 96.02,48.11 U19.1
  vias: v1(1.55,31.31) v1(1.55,27.31) v1(2.7,179.08) v1(3.55,82.31) v1(3.55,77.31) v1(4.55,49.33) v1(5.7,171.06) v1(5.7,161.06) v1(6.55,27.31) v1(6.55,23.31) v1(8.55,82.31) v1(9.45,32.91) v1(10.55,75.31) v1(10.55,49.33) v1(10.55,26.31) v1(10.7,156.06) v1(12.55,57.31) v1(13.55,87.31) v1(13.55,81.31) v1(13.55,67.31) v1(14.7,167.08) v1(14.7,143.08) v1(15.55,33.31) v1(15.7,176.06) v1(15.7,161.06) v1(17.7,149.08) v1(18.55,87.31) v1(18.55,12.31) v1(19.95,43.44) v1(20.55,83.31) v1(20.7,179.08) v1(20.7,143.08) v1(21.05,62.31) v1(22.55,60.31) v1(22.55,25.33) v1(23.55,87.31) v1(23.55,67.31) v1(23.55,62.31) v1(23.55,12.31) v1(23.7,161.08) v1(24.45,33.34) v1(25.55,43.33) v1(26.7,179.08) v1(26.7,143.08) v1(28.55,87.31) v1(28.55,73.33) v1(28.55,62.31) v1(28.55,60.31) v1(28.55,49.33) v1(28.55,37.33) v1(28.55,17.31) v1(32.7,179.08) v1(32.7,143.08) v1(33.55,77.31) v1(33.55,22.31) v1(33.55,17.31) v1(34.55,97.33) v1(34.55,49.33) v1(35.7,185.08) v1(35.7,161.08) v1(35.7,151.06) v1(38.55,87.31) v1(38.55,77.31) v1(38.55,67.31) v1(38.55,32.31) v1(38.7,143.08) v1(40.55,97.33) v1(40.55,49.33) v1(40.7,176.06) v1(40.7,171.06) v1(41.7,185.08) v1(41.7,161.08) v1(43.55,32.31) v1(45.7,176.06) v1(45.7,171.06) v1(46.55,97.33) v1(46.55,66.31) v1(46.55,37.33) v1(47.7,161.08) v1(48.55,32.31) v1(50.55,69.31) v1(50.7,191.08) v1(50.7,176.06) v1(50.7,171.06) v1(51.55,74.31) v1(52.55,97.33) v1(53.55,82.31) v1(53.55,77.31) v1(53.55,54.31) v1(53.7,150.06) v1(54.55,43.31) v1(55.55,60.31) v1(55.7,176.06) v1(55.7,171.06) v1(55.7,161.06) v1(56.7,191.08) v1(56.7,167.08) v1(58.55,97.33) v1(58.55,82.31) v1(58.55,77.31) v1(58.55,47.31) v1(58.7,150.06) v1(59.7,137.08) v1(60.55,44.31) v1(60.7,161.06) v1(61.55,60.31) v1(61.55,55.31) v1(62.55,76.31) v1(62.55,40.31) v1(62.7,191.08) v1(62.7,167.08) v1(64.55,73.33) v1(64.55,37.33) v1(65.55,53.31) v1(65.7,186.06) v1(65.7,181.06) v1(65.7,176.06) v1(65.7,166.06) v1(68.55,82.31) v1(68.55,67.31) v1(68.55,43.31) v1(70.55,37.33) v1(70.55,25.33) v1(70.7,161.06) v1(71.55,59.31) v1(71.7,197.08) v1(72.55,53.31) v1(73.55,77.31) v1(74.7,148.06) v1(75.7,181.06) v1(75.7,176.06) v1(75.7,166.06) v1(75.7,161.06) v1(76.55,44.01) v1(76.55,40.31) v1(77.55,59.31) v1(77.55,50.31) v1(77.7,197.08) v1(77.7,153.06) v1(78.55,87.31) v1(78.55,82.31) v1(78.55,77.31) v1(78.55,67.31) v1(79.55,56.31) v1(79.65,41.11) v1(80.7,139.36) v1(80.7,131.08) v1(81.8,135.26) v1(82.5,141.06) v1(82.55,59.31) v1(82.55,50.31) v1(82.55,37.33) v1(83.4,138.56) v1(85.1,141.36) v1(85.55,61.31) v1(85.7,186.06) v1(85.7,176.06) v1(85.7,166.06) v1(85.7,161.06) v1(86.7,131.08) v1(87.7,142.06) v1(88.55,97.33) v1(88.55,87.31) v1(88.55,82.31) v1(88.55,67.31) v1(88.55,37.33) v1(88.85,43.71) v1(89.55,61.31) v1(89.7,125.08) v1(90.7,176.06) v1(90.7,156.06) v1(91.55,103.33) v1(91.75,43.01) v1(92.7,142.06) v1(93.55,67.31) v1(93.7,152.06) v1(94.55,37.33) v1(95.7,181.06) v1(95.7,176.06) v1(95.7,161.06) v1(95.7,156.06) v1(96.7,152.06) v1(97,136.36) v1(97.55,103.33) v1(98.55,87.31) v1(98.55,82.31) v1(98.55,67.31) v1(98.7,131.08) v1(99.7,144.06) v1(101.7,137.08) v1(101.7,125.08) v1(102.25,60.21) v1(103.55,43.33) v1(104.7,131.08) v1(105.55,50.31) v1(105.7,176.06) v1(106.55,97.33) v1(106.55,73.33) v1(107.7,173.08) v1(107.7,149.08) v1(107.7,137.08) v1(108.55,82.31) v1(108.55,77.31) v1(110.5,153.66) v1(110.5,151.46) v1(111.55,55.31) v1(112.55,97.33) v1(112.55,73.33) v1(112.55,61.33) v1(113.55,92.31) v1(113.55,46.31) v1(113.7,173.08) v1(113.7,137.08) v1(115.55,67.33) v1(115.55,43.33) v1(115.7,186.06) v1(115.7,176.06) v1(116.7,131.08) v1(117.05,59.31) v1(117.55,46.31) v1(118.55,97.33) v1(118.55,85.33) v1(118.55,73.33) v1(119.7,137.08) v1(119.7,125.08) v1(120.55,46.31) v1(121.55,43.33) v1(122.55,60.31) v1(122.55,57.31) v1(122.7,191.08) v1(123.55,92.31) v1(123.55,82.31) v1(123.55,77.31) v1(124.55,85.33) v1(124.55,73.33) v1(124.55,61.33) v1(125.7,137.08) v1(125.7,125.08) v1(126.55,55.31) v1(127.55,67.33) v1(128.7,191.08) v1(128.7,119.08) v1(129.65,47.84) v1(130,158.06) v1(130.55,85.33) v1(130.55,73.33) v1(131.7,161.08) v1(131.75,55.64) v1(133.4,144.26) v1(133.55,91.33) v1(133.55,67.33) v1(134.7,191.08) v1(135.7,141.06) v1(136.55,73.33) v1(136.7,101.06) v1(137.7,125.08) v1(138.7,98.06) v1(139.55,67.33) v1(139.55,56.31) v1(139.7,101.06) v1(140.4,138.56) v1(140.7,141.06) v1(141.7,98.06) v1(141.7,96.06) v1(142.55,73.33) v1(142.55,58.31) v1(143.7,161.08) v1(143.7,125.08) v1(144.8,155.06) v1(145.55,67.33) v1(145.9,124.66) v1(146.7,163.06) v1(146.7,107.08) v1(148.55,49.33) v1(149.7,113.08) v1(150.7,152.06) v1(151.55,67.33) v1(151.7,150.06) v1(152.55,35.31) v1(152.7,161.06) v1(152.7,107.08) v1(153.55,55.31) v1(153.7,152.06) v1(154.55,85.33) v1(154.55,49.33) v1(154.6,155.46) v1(155.7,157.06) v1(155.7,154.06) v1(157.55,67.33) v1(157.55,33.31) v1(158.55,36.31) v1(158.7,161.06) v1(158.7,152.06) v1(158.7,119.08) v1(159.82,164.36) v1(160.55,85.33) v1(160.55,73.33) v1(161.7,161.08) v1(161.7,125.08) v1(162.7,152.06) v1(163.7,167.06) v1(164.7,119.08) v1(166.55,85.33) v1(167.7,149.08) v1(167.7,125.08) v1(167.9,153.48)
